# Altium PCB USB_to_UART_CH340N.PcbDoc
Units mm, origin at the board's own origin, x right, y up, seen from the top; angles counter-clockwise.
Board outline 17.4 x 13.97 mm, 2 copper layers (Top Layer, Bottom Layer); 7 components, 11 nets, 27 pads, 0 vias.
Unrouted connection lines stored in the file: 5.
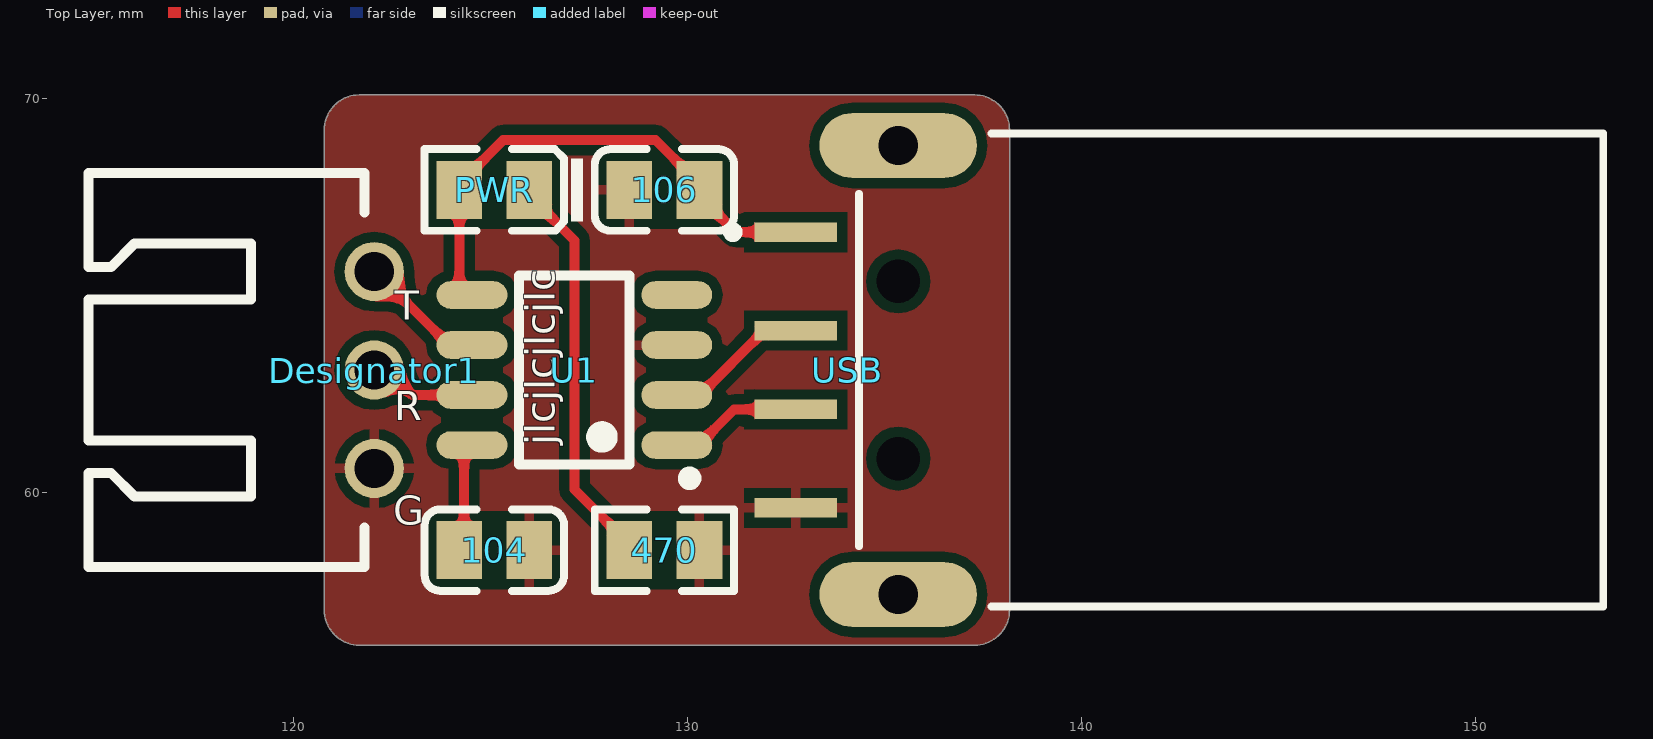
[diagram p0: Top Layer view]
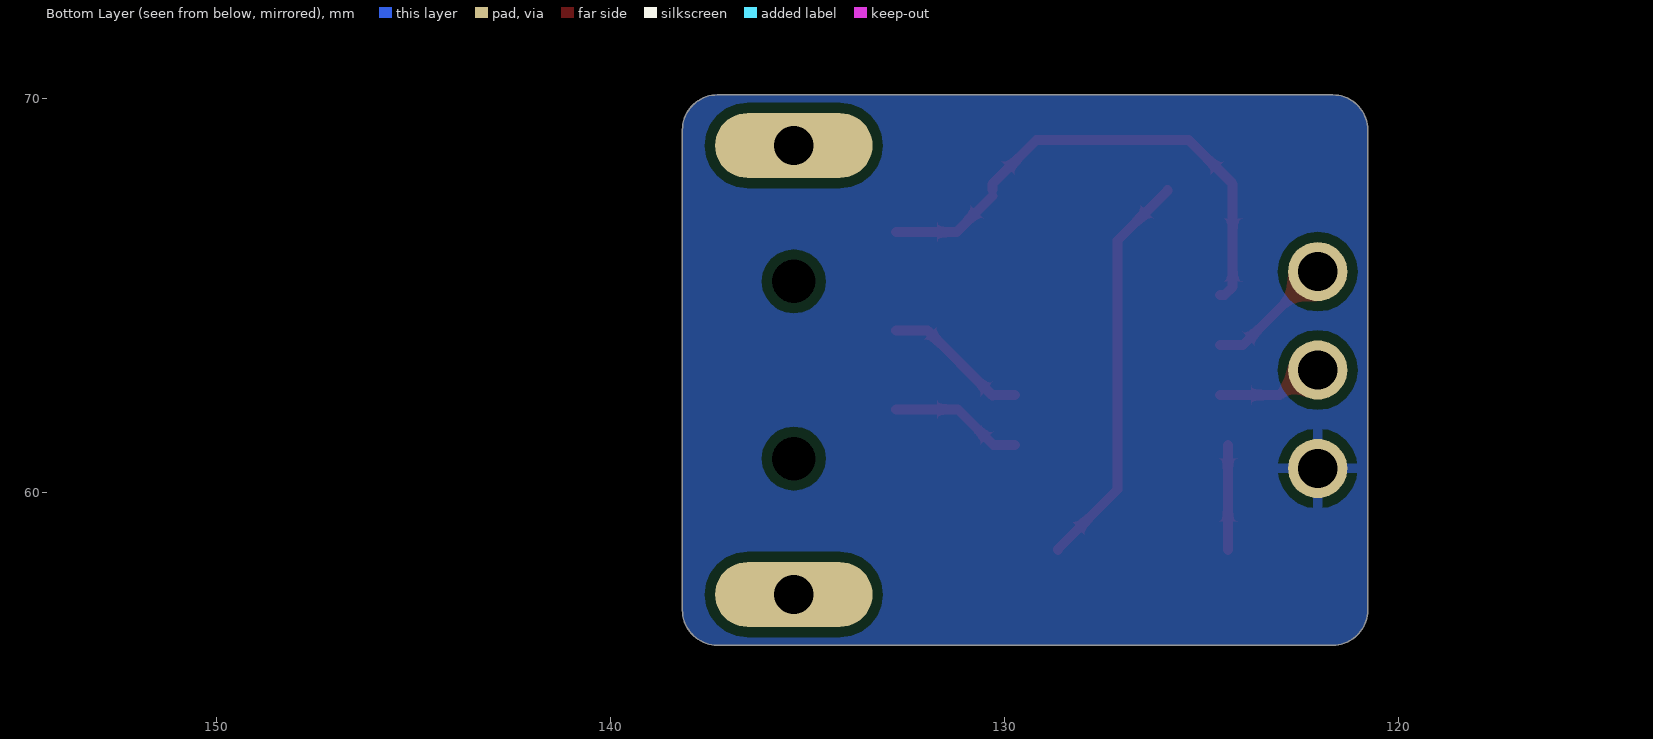
[diagram p1: Bottom Layer view, seen from below]
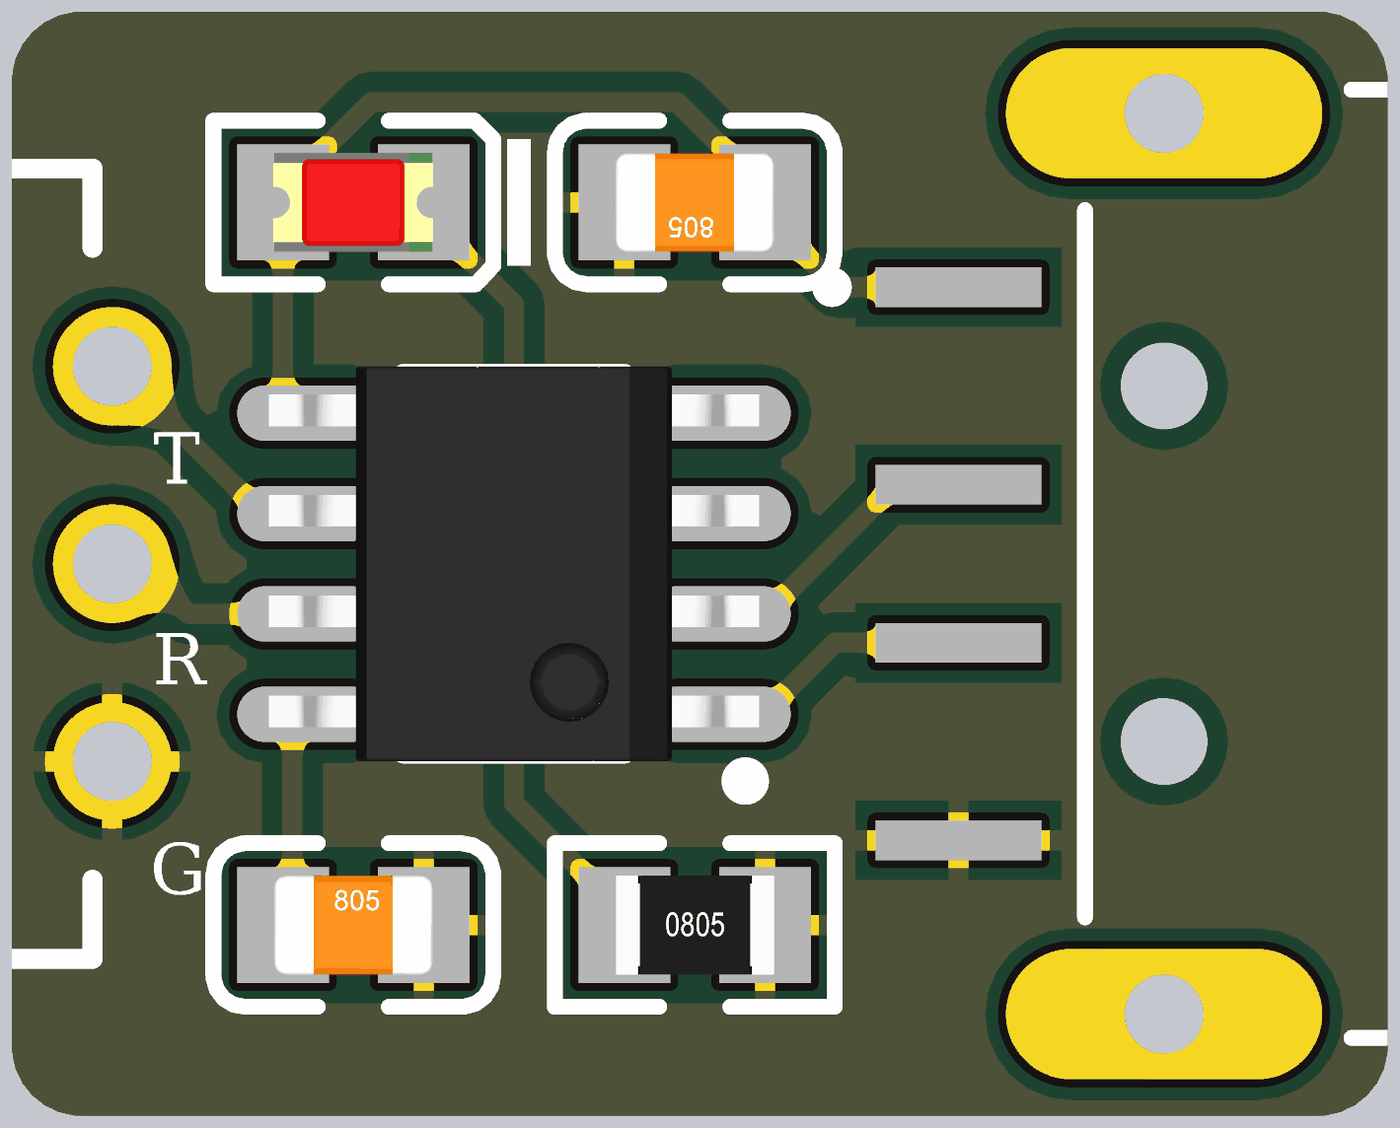
[diagram p2: 3D render of the assembled board from above, using the file's embedded part models]

## Layer stack, top to bottom
Top Solder: solder mask 0.0102, Solder Resist, Dk 3.5
Top Layer: signal copper 0.0356
Dielectric 1: dielectric 0.32, FR-4, Dk 4.8
Bottom Layer: signal copper 0.0356
Bottom Solder: solder mask 0.0102, Solder Resist, Dk 3.5

## Board outline
120.777,57.023 120.777,69.215 cw(c121.666,69.215) 121.666,70.104 137.287,70.104 cw(c137.287,69.215) 138.176,69.215 138.176,57.023 cw(c137.287,57.023) 137.287,56.134 121.666,56.134 cw(c121.666,57.023)

## Design rules (kind name [scope] priority, off if disabled: settings)
Clearance [All] p1: gap=0.254 ignorepadtopadclearanceinfootprint=FALSE except(0: Arc-Hole Track-Hole SMDPad-Hole THPad-Hole Via-Hole Fill-Hole Poly-Hole Region-Hole Text-Hole)
PolygonConnect [All] p1: connectstyle=Relief reliefconductorwidth=0.254 reliefentries=4 polygonreliefangle="90 Angle" airgapwidth=0.254
RoutingVias [All] p1: holewidth=0.711 width=1.27 viastyle="Through Hole" minholewidth=0.711 minwidth=1.27 maxholewidth=0.711 maxwidth=1.27
SolderMaskExpansion [All] p1: expansion=0.102 istentingtop=FALSE
Width [All] p1: maxlimit=0.254 minlimit=0.254 preferedwidth=0.254
30 further rules are at their usual default settings.

## Classes and differential pairs
component class USB_to_UART_CH340N: 104 106 470 PWR U1 USB

## Components (designator, comment, footprint, x,y, rotation, side; value= is the part's Value field where it differs from the comment)
104 "104" 0805_C 125.095,58.547 r0 top (schematic designator C2)
106 "10uF" 0805_C 129.413,67.691 r180 top (schematic designator C1)
470 "470" 0805_R 129.413,58.547 r0 top value=500 (schematic designator R1)
Designator1 "Comment" XH2.5-3A0 122.047,63.119 r90 top
PWR "LED2" 0805_LED_S1 125.095,67.691 r180 top
U1 "CH340N" SOP-8_150mil 127.127,63.119 r90 top
USB "USB-A公头" USB/SM2.5-4H4 138.049,63.119 r0 top

## Footprints (in the part's own frame and the unit in brackets; to place one, negate y for a bottom-side part, rotate by r counter-clockwise, add the part's x,y. Pads: shape width x height; smd on the part's side, far side on the other; paste and mask are expansions set on the pad)
0805_C [mm]
  rect 1.16x1.47 smd: 1(-0.89,0) 2(0.89,0)
  silkscreen extent -1.77,-1.04 1.77,1.04, body extent -1,-0.62 1,0.63, height 0.77
0805_LED_S1 [mm]
  rect 1.16x1.47 smd: A(0.89,0) K(-0.89,0)
  silkscreen extent -2.24,-1.04 1.77,1.03, body extent -1.01,-0.62 1.01,0.62, height 1.1
0805_R [mm]
  rect 1.16x1.47 smd: 1(-0.89,0) 2(0.89,0)
  silkscreen extent -1.77,-1.04 1.77,1.03, body extent -1,-0.62 1,0.63, height 0.49
SOP-8_150mil [mm]
  oval 0.7x1.8 smd: 1(-1.905,-2.6) 2(-0.635,-2.6) 3(0.635,-2.6) 4(1.905,-2.6) 5(1.905,2.6) 6(0.635,2.6) 7(-0.635,2.6) 8(-1.905,2.6)
  silkscreen extent -2.9,-3.08 2.4,1.4, body extent -2.5,-3.1 2.5,3.1, height 1.75
USB/SM2.5-4H4 [mm]
  rect 2.1x0.5 smd: 1(-5.3,3.5) 2(-5.3,1) 3(-5.3,-1) 4(-5.3,-3.5)
  oval 4x1.65 hole 1: 5(-2.7,-5.7) 6(-2.7,5.7)
  round 0.8 hole 1.1 unplated: MH1(-2.7,-2.25) MH2(-2.7,2.25)
  silkscreen extent -7.02,-6 15.2,6
XH2.5-3A0 [mm] "浙江合业电子"
  round 1.5 hole 1: 1(-2.5,0) 2(0,0) 3(2.5,0)
  silkscreen extent -5,0.25 5,7.25

## Part data
104 106: library part CAP, "Capacitor"
470: library part Res2, "Resistor", LatestRevisionDate=17-Jul-2002, LatestRevisionNote="Re-released for DXP Platform.", PackageReference=AXIAL-0.4, Published=8-Jun-2000, Publisher="Altium Limited"
PWR: "Typical RED, GREEN, YELLOW, AMBER GaAs LED", PackageDocument=Feb-2002, LatestRevisionDate=17-Jul-2002, LatestRevisionNote="Re-released for DXP Platform.", PackageReference=3.2X1.6X1.1, Published=8-Jun-2000, Publisher="Altium Limited"
U1: "USB to TTL Serial / UART"
USB: library part USB-A

## Nets (pads, with @x,y where several pads share a name; then routed paths per layer and width w, separated by ;. In a path a pad name is that pad's centre, name@x,y a point inside that pad or via, vN(x,y) a via of type N, cw(c..) or ccw(c..) an arc to the next point about the centre after c; other vN are vias at no path point)
GND: 104.2 106.2 470.2 Designator1.1 U1.3 USB.4
NetC2_1: 104.1 U1.8 | length 2.7
  Top Layer w0.254: 104.1@124.325,58.547 U1.8@124.325,61.214
NetPWR_2: 470.1 PWR.K | length 10.3
  Top Layer w0.254: PWR.K@125.865,67.691 125.865,67.666 127.127,66.404 127.127,60.088 128.643,58.572 470.1@128.643,58.547
NetR2_1: 
NetR3_1: 
RTS: U1.4
RXD: Designator1.2 U1.7 | length 2.7
  Top Layer w0.254: Designator1.2 122.376,63.119 123.011,62.484 U1.7
TXD: Designator1.3 U1.6 | length 3.3
  Top Layer w0.254: Designator1.3 122.08,65.619 123.944,63.754 U1.6
UD+: U1.1 USB.3 | length 3.4
  Top Layer w0.254: U1.1 130.277,61.214 131.182,62.119 USB.3
UD-: U1.2 USB.2 | length 3.7
  Top Layer w0.254: U1.2 U1.2@130.302,62.484 ; U1.2@130.308,62.478 131.949,64.119 USB.2
VCC: 106.1 PWR.A U1.5 USB.1 | length 13
  Top Layer w0.254: U1.5 124.411,65.024 124.205,65.23 PWR.A 124.205,67.846 125.32,68.961 129.188,68.961 130.303,67.846 106.1 ; 106.1@130.303,67.536 131.22,66.619 USB.1
pads on no net: USB.5 USB.6 USB.MH1 USB.MH2

## Polygon pours and split planes (outlines as drawn)
GND on Top Layer "GND_L01_P000" (solid, remove dead copper, pour order 0): 120.777,57.023 120.777,69.215 cw(c121.666,69.215) 121.666,70.104 137.287,70.104 cw(c137.287,69.215) 138.176,69.215 138.176,57.023 cw(c137.287,57.023) 137.287,56.134 121.666,56.134 cw(c121.666,57.023)
GND on Bottom Layer "GND_L02_P001" (solid, remove dead copper, pour order 1): 120.777,57.023 120.777,69.215 cw(c121.666,69.215) 121.666,70.104 137.287,70.104 cw(c137.287,69.215) 138.176,69.215 138.176,57.023 cw(c137.287,57.023) 137.287,56.134 121.666,56.134 cw(c121.666,57.023)

## Silkscreen, mask and mechanical layers (free items; w line width, h text height)
Top Overlay:
  text "T" at 122.564,64.135 h1.27
  text "R" at 122.556,61.595 h1.27
  text "jlcjlcjlcjlc" at 126.883,61.214 h1.27 r90
  text "G" at 122.523,58.94 h1.27
Bottom Solder:
  lines w0.127: 123.571,61.087 134.239,61.087
  text "USB转串口" at 133.477,66.169 h2.54
  text "华来固件部" at 133.602,64.012 h2.54
  text "限量典藏版" at 133.604,61.87 h2.54
  text "Designed by XuTianze" at 133.857,59.807 h1.27
  text "GitHub: BadFatCat0919" at 134.111,58.559 h1.27
  text "V2.0" at 123.825,56.654 h1.27
Mechanical 1:
  the board outline again, w0.254